# KiCad board RUSP_Mainboard_panelMockup.kicad_pcb (continued)
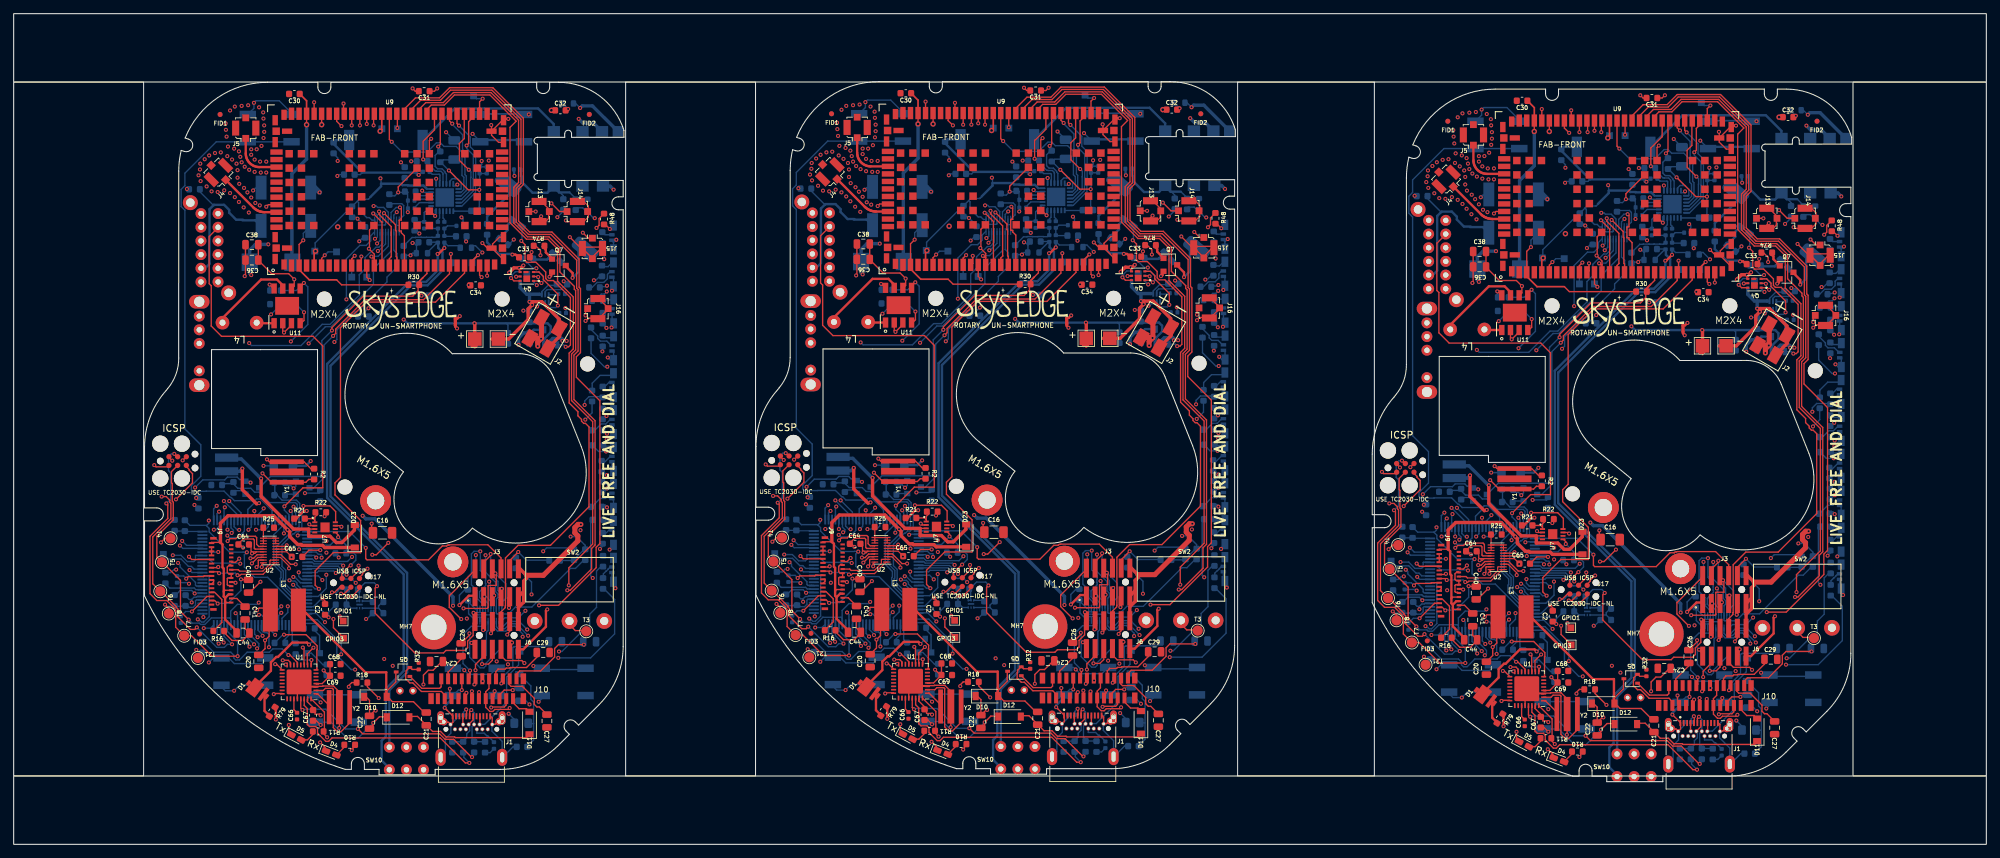
[diagram p0: board, top side]
## Routing (per net, layer and track width the routed paths; a pad name or vN(x,y) marks a point on that pad's centre or on a via; arc(x,y) is an arc through that point) (continued)
/PDn: length 122.8
  L1_GND+GNDA.Cu w0.2: J6.10 72.54,31.14 72.19,30.78 v1(72.19,30.68) ; v1(251.73,29.68) 251.73,29.79 252.09,30.15 J6#3.10 ; J6#2.10 161.97,31.24 161.61,30.88 v1(161.61,30.78)
  L2_3v3+GNDA.Cu w0.2: v1(217.79,29.65) 218.36,30.22 234.99,30.22 238.24,26.97 242.52,26.97 244.77,29.22 246.79,29.22 246.79,29.09 247.21,28.67 250.72,28.67 v1(251.73,29.68) ; v1(72.19,30.68) 71.17,29.66 67.66,29.66 67.24,30.08 67.24,30.21 65.23,30.21 62.98,27.96 58.69,27.96 55.44,31.21 38.81,31.21 v1(38.24,30.64) ; v1(161.61,30.78) 160.59,29.76 157.08,29.76 156.66,30.18 156.66,30.31 154.65,30.31 152.4,28.06 148.12,28.06 144.86,31.32 128.24,31.32 v1(127.66,30.74)
  L6_GND.Cu w0.2: 127.16,32.21 127.16,31.24 v1(127.66,30.74) ; v1(38.24,30.64) 37.74,31.14 37.74,32.11 ; 217.29,31.12 217.29,30.15 v1(217.79,29.65)
/POWSW4: length 253.9
  L1_GND+GNDA.Cu w0.5: v1(72.44,34.58) 72.44,36.06 72.56,36.19 ; v1(251.99,33.59) 251.99,35.07 252.11,35.19 ; 161.99,36.29 161.86,36.16 v1(161.86,34.68)
  L2_3v3+GNDA.Cu w0.5: v1(153.68,35) 154.87,33.81 155.52,33.81 156.45,34.74 156.98,34.74 157.61,34.11 161.29,34.11 v1(161.86,34.68) ; 206.99,85.37 208.24,84.12 208.24,79.49 209.79,77.94 219.91,77.94 225.39,72.47 225.39,61.67 229.84,57.22 229.84,47.82 v1(230.59,47.07) ; 27.44,86.36 28.69,85.11 28.69,80.49 30.24,78.94 40.37,78.94 45.84,73.46 45.84,62.66 50.29,58.21 50.29,48.81 v1(51.04,48.06) ; v1(140.46,48.16) 139.71,48.91 139.71,58.31 135.26,62.76 135.26,73.56 129.79,79.04 119.66,79.04 118.11,80.59 118.11,85.21 116.86,86.46 ; v1(72.44,34.58) 71.87,34.01 68.19,34.01 67.56,34.64 67.03,34.64 66.1,33.71 65.45,33.71 v1(64.26,34.9) ; v1(251.99,33.59) 251.42,33.02 247.73,33.02 247.11,33.64 246.58,33.64 245.65,32.72 245,32.72 v1(243.8,33.91)
  L6_GND.Cu w0.5: v1(243.8,33.91) 243.8,35.18 232.37,46.62 231.04,46.62 v1(230.59,47.07) ; v1(64.26,34.9) 64.26,36.17 52.82,47.61 51.49,47.61 v1(51.04,48.06) ; v1(153.68,35) 153.68,36.27 142.24,47.71 140.91,47.71 v1(140.46,48.16)
/RELAY_OFF: length 150.8
  L1_GND+GNDA.Cu w0.2: v1(158.09,31.44) 158.11,31.46 158.11,32.41 ; v1(248.21,30.34) 248.24,30.37 248.24,31.32 ; v1(68.66,31.34) 68.69,31.36 68.69,32.31
  L2_3v3+GNDA.Cu w0.2: v1(210.82,45.02) 211.12,45.32 211.48,45.32 211.98,44.82 211.98,39.77 213.69,38.07 215.78,38.07 217.8,36.05 219.93,36.05 222.69,33.28 228.45,33.28 228.52,33.22 232.94,33.22 233.99,34.27 242.45,34.27 244.45,32.27 244.45,31.7 245.5,30.64 247.91,30.64 v1(248.21,30.34) ; v1(120.69,46.12) 120.99,46.42 121.35,46.42 121.86,45.91 121.86,40.87 123.56,39.16 125.66,39.16 127.68,37.14 129.8,37.14 132.57,34.38 138.32,34.38 138.39,34.31 142.82,34.31 143.87,35.36 152.32,35.36 154.32,33.36 154.32,32.79 155.37,31.74 157.79,31.74 v1(158.09,31.44) ; v1(31.27,46.02) 31.57,46.32 31.93,46.32 32.43,45.81 32.43,40.77 34.14,39.06 36.23,39.06 38.25,37.04 40.38,37.04 43.14,34.28 48.9,34.28 48.97,34.21 53.39,34.21 54.44,35.26 62.9,35.26 64.9,33.26 64.9,32.69 65.95,31.64 68.36,31.64 v1(68.66,31.34)
  L6_GND.Cu w0.2: v1(210.82,45.02) 210.79,45.05 210.79,46.42 ; v1(31.27,46.02) 31.24,46.05 31.24,47.41 ; v1(120.69,46.12) 120.66,46.15 120.66,47.51
/RESET: length 121
  L1_GND+GNDA.Cu w0.2: J7#3.5 114.67,55.35 115.1,54.93 115.1,54.8 115.57,54.32 115.57,52.97 v1(113.16,50.56) ; T8#3.1 112.11,34.61 v1(111.56,35.16) ; T8#2.1 202.24,33.52 v1(201.69,34.07) ; v1(22.14,35.06) 22.69,34.51 T8.1 ; v1(203.29,49.47) 205.7,51.88 205.7,53.22 205.22,53.7 205.22,53.83 204.8,54.26 J7#2.5 ; J7.5 25.25,55.25 25.67,54.83 25.67,54.69 26.15,54.22 26.15,52.87 v1(23.74,50.46)
  L2_3v3+GNDA.Cu w0.2: v1(111.56,35.16) 116.13,30.6 v1(116.13,28.54) ; v1(201.69,34.07) 206.25,29.5 v1(206.25,27.44) ; v1(22.14,35.06) 26.7,30.5 v1(26.7,28.44)
  L3_3v8+GNDA.Cu w0.2: v1(201.69,34.07) 201.39,34.37 201.39,38.6 201.89,39.1 201.89,48.07 v1(203.29,49.47) ; v1(22.14,35.06) 21.84,35.36 21.84,39.59 22.34,40.09 22.34,49.06 v1(23.74,50.46) ; v1(113.16,50.56) 111.76,49.16 111.76,40.19 111.26,39.69 111.26,35.46 v1(111.56,35.16)
  L6_GND.Cu w0.2: v1(22.14,35.06) 22.39,34.81 24.59,34.81 25.04,35.26 ; 114.46,35.36 114.01,34.91 111.81,34.91 v1(111.56,35.16) ; v1(206.25,27.44) 206.53,27.17 207.16,27.17 ; v1(201.69,34.07) 201.94,33.82 204.14,33.82 204.59,34.27 ; 116.96,35.86 116.16,35.86 116.01,35.71 116.01,35.11 115.66,34.76 115.06,34.76 114.56,35.26 114.56,35.28 ; 204.69,34.18 204.69,34.17 205.19,33.67 205.79,33.67 206.14,34.02 206.14,34.62 206.29,34.77 207.09,34.77 ; 27.62,28.16 26.98,28.16 v1(26.7,28.44) ; 117.04,28.26 116.4,28.26 v1(116.13,28.54) ; 27.54,35.76 26.74,35.76 26.59,35.61 26.59,35.01 26.24,34.66 25.64,34.66 25.14,35.16 25.14,35.18
/RINGER+: length 184.3
  L1_GND+GNDA.Cu w0.2: v1(131.88,77.93) 131.88,76.73 131.26,76.11 ; 41.84,76.01 42.46,76.63 v1(42.46,77.83) ; 221.39,75.02 222.01,75.64 v1(222.01,76.84)
  L5_3v8.Cu w0.2: v1(23.27,42.28) 24.05,42.28 27.24,45.47 27.24,53.13 25.67,54.69 25.67,57.43 26.17,57.92 26.17,63.93 24.64,65.46 24.64,69.06 30.14,74.56 36.55,74.56 37.64,75.65 v1(37.64,77.51) ; v1(217.19,76.52) 217.19,74.65 216.1,73.57 209.69,73.57 204.19,68.07 204.19,64.47 205.72,62.94 205.72,56.93 205.22,56.43 205.22,53.7 206.79,52.14 206.79,44.48 203.6,41.29 v1(202.82,41.29) ; v1(112.69,42.38) 113.47,42.38 116.66,45.57 116.66,53.23 115.1,54.8 115.1,57.53 115.59,58.02 115.59,64.03 114.06,65.56 114.06,69.16 119.56,74.66 125.98,74.66 127.06,75.75 v1(127.06,77.61)
  L6_GND.Cu w0.2: 117.01,42.36 116.06,42.36 116.01,42.31 116.01,41.7 115.78,41.46 114.81,41.46 113.88,42.38 v1(112.69,42.38) ; 207.14,41.27 206.19,41.27 206.14,41.22 206.14,40.6 205.9,40.37 204.93,40.37 204.01,41.29 v1(202.82,41.29) ; v1(131.88,77.93) 130.7,79.11 R23#2.1 128.5,79.05 v1(127.06,77.61) ; 27.59,42.26 26.64,42.26 26.59,42.21 26.59,41.6 26.35,41.36 25.38,41.36 24.46,42.28 v1(23.27,42.28) ; v1(217.19,76.52) 218.63,77.95 R23#3.1 220.83,78.02 v1(222.01,76.84) ; v1(42.46,77.83) 41.28,79.01 R23.1 39.08,78.95 v1(37.64,77.51)
/RINGER-: length 189.5
  L1_GND+GNDA.Cu w0.2: v1(221.99,81.12) 221.44,80.57 221.44,80.17 ; v1(42.44,82.11) 41.89,81.56 41.89,81.16 ; v1(131.86,82.21) 131.31,81.66 131.31,81.26
  L5_3v8.Cu w0.2: v1(129.96,73.66) 129.46,74.16 119.81,74.16 114.41,68.77 114.41,65.71 117.04,63.08 117.04,45.94 118.46,44.51 118.46,44.56 119.34,43.69 v1(119.34,42.86) ; 208.59,43.47 208.59,43.42 207.16,44.84 207.16,61.99 204.54,64.61 204.54,67.67 209.93,73.07 219.59,73.07 v1(220.09,72.57) ; v1(29.92,42.76) 29.92,43.59 29.04,44.46 29.04,44.41 27.62,45.84 27.62,62.98 24.99,65.61 24.99,68.67 30.39,74.06 40.04,74.06 v1(40.54,73.56) ; 208.59,43.47 209.46,42.59 v1(209.46,41.77)
  L6_GND.Cu w0.2: U4.44 209.44,41.74 v1(209.46,41.77) ; U4#2.44 29.89,42.74 v1(29.92,42.76) ; v1(220.09,72.57) 222.56,75.04 222.56,80.55 v1(221.99,81.12) 220.89,80.02 R24#3.1 ; v1(129.96,73.66) 132.43,76.13 132.43,81.64 v1(131.86,82.21) 130.76,81.11 R24#2.1 ; R24.1 41.34,81.01 v1(42.44,82.11) 43.01,81.54 43.01,76.03 v1(40.54,73.56) ; U4#3.44 119.31,42.84 v1(119.34,42.86)
/SCK: length 293.2
  L1_GND+GNDA.Cu w0.2: U2#3.17 125.88,42.48 125.86,42.46 125.03,42.46 124.51,41.94 v1(124.05,41.94) ; v1(70.45,39.62) 70.44,39.61 70.14,39.61 ; v1(214.18,40.84) 214.63,40.84 215.16,41.37 215.99,41.37 216.01,41.39 U2.17 ; J7#3.3 112.5,54.62 112.5,52.99 112.61,52.87 112.61,50.3 112.76,50.15 112.76,47.56 110.36,45.16 110.36,42.11 T5#3.1 ; 201.24,40.32 203.94,37.62 203.94,33.07 v1(205.14,31.87) ; v1(155.21,34.61) 158.69,34.61 158.81,34.73 158.81,37.92 158.86,37.97 160,37.97 160,39.66 159.36,40.29 ; v1(159.87,39.72) 159.86,39.71 159.56,39.71 ; T5#2.1 200.49,41.02 200.49,44.07 202.89,46.47 202.89,49.05 202.74,49.2 202.74,51.78 202.63,51.89 202.63,53.53 J7#2.3 ; U2#2.17 36.46,42.38 36.44,42.36 35.61,42.36 35.08,41.84 v1(34.63,41.84) ; J7.3 23.08,54.52 23.08,52.88 23.19,52.77 23.19,50.2 23.34,50.05 23.34,47.46 20.94,45.06 20.94,42.01 T5.1 ; v1(65.79,34.51) 69.27,34.51 69.38,34.63 69.38,37.82 69.43,37.87 70.58,37.87 70.58,39.56 69.94,40.19 ; v1(250,38.63) 249.99,38.62 249.69,38.62 ; v1(115.01,32.96) 113.81,34.16 113.81,38.71 111.11,41.41 ; v1(245.34,33.52) 248.81,33.52 248.93,33.64 248.93,36.83 248.98,36.88 250.12,36.88 250.12,38.56 249.49,39.2 ; 21.69,41.31 24.39,38.61 24.39,34.06 v1(25.59,32.86)
  L3_3v8+GNDA.Cu w0.2: v1(245.34,33.52) 245.04,33.22 243.68,33.22 242.58,34.32 234.54,34.32 234.31,34.09 220.57,34.09 220.29,34.37 v1(215.39,34.37) ; v1(35.84,35.36) 40.74,35.36 41.02,35.08 54.76,35.08 54.99,35.31 63.03,35.31 64.13,34.21 65.49,34.21 v1(65.79,34.51) ; v1(155.21,34.61) 154.91,34.31 153.56,34.31 152.45,35.42 144.42,35.42 144.18,35.18 130.44,35.18 130.16,35.46 v1(125.26,35.46)
  L5_3v8.Cu w0.2: v1(124.05,41.94) 125.2,41.94 126.26,40.88 126.26,36.46 v1(125.26,35.46) ; v1(34.63,41.84) 35.78,41.84 36.84,40.78 36.84,36.36 v1(35.84,35.36) ; v1(215.39,34.37) 216.39,35.37 216.39,39.78 215.33,40.84 v1(214.18,40.84)
  L6_GND.Cu w0.18: 250.9,34.36 250.94,34.32 U8#2.20 ; U8.20 71.39,35.31 71.35,35.35 ; 160.77,35.45 160.81,35.41 U8#3.20
  L6_GND.Cu w0.2: v1(205.14,31.87) 205.64,31.37 206.68,31.37 206.88,31.17 207.51,31.17 208.46,32.12 211.14,32.12 211.29,31.97 ; v1(25.59,32.86) 26.09,32.36 27.13,32.36 27.33,32.16 27.96,32.16 28.91,33.11 31.59,33.11 31.74,32.96 ; v1(115.01,32.96) 115.51,32.46 116.55,32.46 116.75,32.27 117.39,32.27 118.33,33.21 121.01,33.21 121.16,33.06 ; v1(250,38.63) 251.54,37.09 251.54,34.99 250.9,34.36 ; v1(125.26,35.46) 125.01,35.21 122.16,35.21 121.16,34.21 121.16,33.06 ; v1(159.87,39.72) 161.41,38.18 161.41,36.09 160.77,35.45 ; 211.29,31.27 211.29,31.97 ; 211.29,31.97 211.29,33.12 212.29,34.12 215.14,34.12 v1(215.39,34.37) ; v1(35.84,35.36) 35.59,35.11 32.74,35.11 31.74,34.11 31.74,32.96 ; 31.74,32.96 31.74,32.26 ; 121.16,33.06 121.16,32.36 ; 71.35,35.35 71.99,35.99 71.99,38.08 v1(70.45,39.62)
/SD_CD: length 115.1
  L1_GND+GNDA.Cu w0.2: v1(71.37,37.39) 71.37,36.33 71.28,36.23 ; v1(160.8,37.49) 160.8,36.43 J3#3.7 ; v1(250.92,36.39) 250.92,35.33 J3#2.7
  L3_3v8+GNDA.Cu w0.2: v1(130.96,45.28) 131.14,45.46 135.31,45.46 138.38,42.39 138.35,42.37 138.35,41.79 138.58,41.56 141.46,41.56 146.06,36.96 155.66,36.96 157.06,35.56 157.33,35.56 157.4,35.49 159.47,35.49 160.8,36.82 v1(160.8,37.49) ; v1(250.92,36.39) 250.92,35.72 249.6,34.39 247.53,34.39 247.46,34.47 247.19,34.47 245.79,35.87 236.19,35.87 231.59,40.47 228.71,40.47 228.48,40.7 228.48,41.27 228.51,41.3 225.44,44.37 221.27,44.37 v1(221.09,44.19) ; v1(41.54,45.18) 41.72,45.36 45.89,45.36 48.96,42.29 48.93,42.26 48.93,41.69 49.16,41.46 52.04,41.46 56.64,36.86 66.24,36.86 67.64,35.46 67.91,35.46 67.98,35.39 70.05,35.39 71.37,36.71 v1(71.37,37.39)
  L6_GND.Cu w0.2: 43.01,45.26 41.62,45.26 v1(41.54,45.18) ; 222.56,44.27 221.17,44.27 v1(221.09,44.19) ; 132.44,45.36 131.04,45.36 v1(130.96,45.28)
/SD_CS: length 102.8
  L1_GND+GNDA.Cu w0.2: v1(140.91,43.46) 140.91,41.9 141.1,41.71 150.09,41.71 152.12,43.74 152.75,43.74 152.85,43.85 153.01,43.88 153.02,43.88 153.16,43.91 158.78,43.91 160.7,41.99 J3#3.8 ; J3#2.8 250.82,40.9 248.9,42.82 243.29,42.82 243.14,42.79 243.14,42.78 242.98,42.75 242.87,42.65 242.24,42.65 240.21,40.62 231.23,40.62 231.04,40.8 v1(231.04,42.37) ; 71.28,40.3 71.28,41.89 69.35,43.81 63.74,43.81 63.59,43.78 63.59,43.78 63.43,43.74 63.32,43.64 62.69,43.64 60.67,41.61 51.68,41.61 51.49,41.8 v1(51.49,43.36)
  L6_GND.Cu w0.2: 42.94,45.76 49.09,45.76 v1(51.49,43.36) ; 132.36,45.86 138.51,45.86 v1(140.91,43.46) ; 222.49,44.77 228.64,44.77 v1(231.04,42.37)
/SIM_CLK: length 315.8
  L1_GND+GNDA.Cu w0.2: J6#3.8 250.82,33.02 251.44,33.64 251.44,33.86 251.47,33.89 251.47,40.89 253.33,42.75 258.06,42.75 263.69,48.38 263.69,60.06 263.18,60.58 262.92,60.58 262.6,60.9 262.6,61.16 262.07,61.69 262.07,62.29 260.79,63.57 260.79,70.86 261.39,71.46 261.39,79.07 259.09,81.37 259.09,86.12 257.69,87.52 254.55,87.52 252.14,89.93 252.14,103.88 253.04,104.78 249.2,108.62 244,108.62 242.53,107.14 240.61,107.14 240.04,106.57 240.04,105.67 ; 149.91,106.76 149.91,107.66 150.49,108.24 152.4,108.24 153.88,109.71 159.08,109.71 162.91,105.88 162.01,104.98 162.01,91.03 164.43,88.61 167.56,88.61 168.96,87.21 168.96,82.46 171.26,80.16 171.26,72.56 170.66,71.96 170.66,64.66 171.94,63.38 171.94,62.78 172.47,62.25 172.47,61.99 172.79,61.67 173.05,61.67 173.57,61.16 173.57,49.48 167.93,43.84 163.2,43.84 161.35,41.99 161.35,34.98 161.32,34.95 161.32,34.73 160.7,34.11 J6#2.8 ; 60.49,106.66 60.49,107.56 61.06,108.14 62.98,108.14 64.45,109.61 69.65,109.61 73.49,105.78 72.59,104.88 72.59,90.93 75,88.51 78.14,88.51 79.54,87.11 79.54,82.36 81.84,80.06 81.84,72.46 81.24,71.86 81.24,64.56 82.52,63.28 82.52,62.68 83.05,62.15 83.05,61.89 83.37,61.57 83.63,61.57 84.15,61.06 84.15,49.38 78.51,43.74 73.78,43.74 71.92,41.89 71.92,34.88 71.9,34.85 71.9,34.63 71.28,34.01 71.28,32.6
/SIM_IO: length 327.3
  L1_GND+GNDA.Cu w0.2: v1(162.3,29.61) 161.97,29.28 ; 59.34,106.76 59.34,107.56 60.27,108.49 62.83,108.49 64.31,109.96 69.8,109.96 73.84,105.92 73.84,96.8 73.14,96.1 73.14,90.87 75.15,88.86 78.29,88.86 79.89,87.26 79.89,83.71 81.99,81.61 81.99,81.21 82.19,81 82.19,72.31 81.59,71.71 81.59,64.91 84.68,61.82 84.68,43.93 81.19,40.44 v1(81.19,37.88) ; 238.89,105.77 238.89,106.57 239.81,107.49 242.38,107.49 243.86,108.97 249.35,108.97 253.39,104.93 253.39,95.81 252.69,95.11 252.69,89.88 254.7,87.87 257.84,87.87 259.44,86.26 259.44,82.72 261.54,80.62 261.54,80.21 261.74,80.01 261.74,71.32 261.14,70.72 261.14,63.92 264.23,60.83 264.23,42.93 260.74,39.44 v1(260.74,36.89) ; v1(170.61,37.98) 170.61,40.54 174.1,44.03 174.1,61.92 171.01,65.01 171.01,71.81 171.61,72.41 171.61,81.1 171.41,81.31 171.41,81.71 169.31,83.81 169.31,87.36 167.71,88.96 164.57,88.96 162.56,90.97 162.56,96.2 163.26,96.9 163.26,106.02 159.22,110.06 153.73,110.06 152.26,108.59 149.69,108.59 148.76,107.66 148.76,106.86 ; v1(72.88,29.51) 72.54,29.18 ; v1(252.43,28.52) 252.09,28.18
  L3_3v8+GNDA.Cu w0.2: v1(252.43,28.52) 252.73,28.22 254.64,28.22 259.97,33.55 259.97,36.54 260.31,36.89 v1(260.74,36.89) ; v1(81.19,37.88) 80.76,37.88 80.42,37.54 80.42,34.54 75.09,29.21 73.18,29.21 v1(72.88,29.51) ; v1(170.61,37.98) 170.19,37.98 169.84,37.64 169.84,34.64 164.51,29.31 162.6,29.31 v1(162.3,29.61)
/SIM_RST: length 347.5
  L1_GND+GNDA.Cu w0.2: U9#3.58 147.66,107.66 148.94,108.94 151.84,108.94 153.31,110.41 159.37,110.41 163.61,106.17 163.61,96.76 162.91,96.06 162.91,91.12 164.72,89.31 167.99,89.31 171.76,85.54 171.76,81.45 171.96,81.25 171.96,72.26 171.36,71.66 171.36,65.15 174.45,62.07 174.45,43.88 173.94,43.38 173.94,40.39 170.82,37.26 v1(170.39,37.26) ; v1(254.24,25.52) 253.87,25.89 251.52,25.89 250.84,26.57 250.84,27.47 ; 237.79,105.87 237.79,106.57 239.06,107.84 241.96,107.84 243.44,109.32 249.49,109.32 253.74,105.07 253.74,95.66 253.04,94.96 253.04,90.02 254.84,88.22 258.12,88.22 261.89,84.45 261.89,80.36 262.09,80.15 262.09,71.17 261.49,70.57 261.49,64.06 264.58,60.97 264.58,42.79 264.07,42.28 264.07,39.29 260.94,36.17 v1(260.52,36.17) ; v1(80.97,37.16) 81.4,37.16 84.52,40.29 84.52,43.28 85.03,43.78 85.03,61.96 81.94,65.05 81.94,71.56 82.54,72.16 82.54,81.15 82.34,81.35 82.34,85.44 78.57,89.21 75.3,89.21 73.49,91.02 73.49,95.96 74.19,96.66 74.19,106.06 69.94,110.31 63.89,110.31 62.41,108.84 59.52,108.84 58.24,107.56 U9.58 ; v1(74.69,26.51) 74.32,26.88 71.97,26.88 71.29,27.57 71.29,28.46 ; 160.71,28.56 160.71,27.67 161.4,26.98 163.74,26.98 v1(164.11,26.61)
  L3_3v8+GNDA.Cu w0.2: v1(80.97,37.16) 80.97,34.6 74.69,28.32 v1(74.69,26.51) ; v1(260.52,36.17) 260.52,33.6 254.24,27.32 v1(254.24,25.52) ; v1(164.11,26.61) 164.11,28.42 170.39,34.7 v1(170.39,37.26)
/SW_CLEAR: length 260.5
  L5_3v8.Cu w0.2: v1(156.54,104.02) 151.33,98.81 145.35,98.81 137.46,90.93 137.46,79.01 134.46,76.01 134.46,71.25 134.24,71.03 134.24,56.03 132.74,54.54 132.74,53.07 129.56,49.89 129.56,49.27 126.4,46.11 v1(124.86,46.11) ; v1(214.99,45.02) 216.53,45.02 219.69,48.18 219.69,48.8 222.87,51.98 222.87,53.44 224.37,54.94 224.37,69.93 224.59,70.16 224.59,74.92 227.59,77.92 227.59,89.83 235.47,97.72 241.46,97.72 v1(246.67,102.93) ; v1(35.44,46.01) 36.98,46.01 40.14,49.17 40.14,49.79 43.32,52.97 43.32,54.44 44.82,55.93 44.82,70.93 45.04,71.15 45.04,75.91 48.04,78.91 48.04,90.83 55.93,98.71 61.91,98.71 v1(67.12,103.92)
  L6_GND.Cu w0.2: 157.46,102.86 157.46,103.1 v1(156.54,104.02) ; v1(124.86,46.11) 126.21,46.11 126.66,46.56 126.66,47.51 ; 216.79,46.42 216.79,45.47 216.34,45.02 v1(214.99,45.02) ; v1(35.44,46.01) 36.79,46.01 37.24,46.46 37.24,47.41 ; 68.04,102.76 68.04,103 v1(67.12,103.92) ; v1(246.67,102.93) 247.59,102 247.59,101.77
  L6_GND.Cu w0.35: 254.26,101.66 253.9,102.02 247.85,102.02 247.59,101.77 ; 157.46,102.86 157.72,103.12 163.77,103.12 164.13,102.76 ; 74.71,102.66 74.35,103.02 68.3,103.02 68.04,102.76
/SW_HOOK: length 242.7
  L6_GND.Cu w0.2: 40.84,102.76 33.74,102.76 ; 34.04,102.76 29.63,102.76 25.04,98.18 25.04,96.34 24.49,95.79 24.49,93.3 25.04,92.75 25.04,60.76 27.37,58.44 27.37,53.83 25.99,52.46 25.99,51.88 26.23,51.64 28.16,51.64 28.18,51.66 30.76,51.66 31.69,50.74 31.81,50.74 32.29,50.26 35.27,50.26 35.51,50.51 36.1,50.51 37.79,48.83 37.79,47.49 ; 127.21,47.59 127.21,48.93 125.53,50.61 124.94,50.61 124.69,50.36 121.71,50.36 121.24,50.84 121.11,50.84 120.19,51.76 117.6,51.76 117.58,51.74 115.65,51.74 115.41,51.98 115.41,52.56 116.79,53.93 116.79,58.54 114.46,60.86 114.46,92.85 113.91,93.4 113.91,95.89 114.46,96.44 114.46,98.28 119.05,102.86 123.46,102.86 ; 130.26,102.86 123.16,102.86 ; 220.39,101.77 213.29,101.77 ; 213.59,101.77 209.17,101.77 204.59,97.18 204.59,95.35 204.04,94.8 204.04,92.31 204.59,91.76 204.59,59.77 206.91,57.44 206.91,52.84 205.54,51.46 205.54,50.88 205.77,50.65 207.7,50.65 207.72,50.67 210.31,50.67 211.24,49.74 211.36,49.74 211.84,49.27 214.81,49.27 215.06,49.52 215.65,49.52 217.34,47.83 217.34,46.5
/SW_MODE1: length 103.2
  L4_GND.Cu w0.2: v1(120.17,50.31) 116.96,53.51 116.96,59.25 113.88,62.32 113.88,74.68 SW1#2.4 ; v1(210.29,49.22) 207.09,52.42 207.09,58.15 204.01,61.23 204.01,73.59 SW1#3.4 ; SW1.4 24.46,74.58 24.46,62.22 27.54,59.15 27.54,53.41 v1(30.74,50.21)
  L6_GND.Cu w0.2: v1(120.17,50.31) 122.16,48.31 122.16,47.49 ; 212.29,46.4 212.29,47.22 v1(210.29,49.22) ; 32.74,47.39 32.74,48.21 v1(30.74,50.21)
/SW_MODE2: length 95.9
  L4_GND.Cu w0.2: 116.96,75.36 114.56,72.96 114.56,65.59 117.31,62.84 117.31,53.95 v1(120.95,50.31) ; v1(211.07,49.22) 207.44,52.85 207.44,61.74 204.69,64.49 204.69,71.87 207.09,74.27 ; v1(31.52,50.21) 27.89,53.85 27.89,62.74 25.14,65.49 25.14,72.86 27.54,75.26
  L6_GND.Cu w0.2: v1(31.52,50.21) 33.24,48.5 33.24,47.65 ; 212.79,46.66 212.79,47.5 v1(211.07,49.22) ; v1(120.95,50.31) 122.66,48.6 122.66,47.75
/SW_MODE3: length 107.1
  L3_3v8+GNDA.Cu w0.2: v1(31.24,45.16) 28.84,45.16 25.74,48.26 25.74,52.21 27.37,53.83 27.37,58.94 25.84,60.46 25.74,60.46 25.14,61.06 25.14,67.99 26.41,69.26 27.54,69.26 ; 116.96,69.36 115.83,69.36 114.56,68.09 114.56,61.16 115.16,60.56 115.26,60.56 116.79,59.04 116.79,53.93 115.16,52.31 115.16,48.36 118.26,45.26 v1(120.66,45.26) ; 207.09,68.27 205.96,68.27 204.69,67 204.69,60.07 205.29,59.47 205.39,59.47 206.91,57.94 206.91,52.84 205.29,51.21 205.29,47.27 208.39,44.17 v1(210.79,44.17)
  L6_GND.Cu w0.2: v1(210.79,44.17) 211.09,43.87 212.34,43.87 213.29,44.82 213.29,46.42 ; 123.16,47.51 123.16,45.91 122.21,44.96 120.96,44.96 v1(120.66,45.26) ; v1(31.24,45.16) 31.54,44.86 32.79,44.86 33.74,45.81 33.74,47.41
/SW_MULTI1: length 182.4
  L2_3v3+GNDA.Cu w0.2: v1(76.01,26.09) 75.68,25.76 68.29,25.76 67.99,26.06 65.71,26.06 63.93,24.28 48.22,24.28 47.71,23.77 41.53,23.77 41.05,23.29 36.16,23.29 31.35,28.1 31.24,28.1 30.95,28.39 30.95,29.28 v1(30.71,29.52) ; v1(120.13,29.62) 120.37,29.38 120.37,28.49 120.66,28.2 120.77,28.2 125.58,23.39 130.47,23.39 130.95,23.87 137.14,23.87 137.65,24.38 153.35,24.38 155.13,26.16 157.41,26.16 157.71,25.86 165.1,25.86 v1(165.43,26.19) ; v1(255.56,25.1) 255.23,24.77 247.84,24.77 247.54,25.07 245.26,25.07 243.48,23.29 227.77,23.29 227.26,22.78 221.07,22.78 220.6,22.3 215.71,22.3 210.9,27.11 210.79,27.11 210.5,27.39 210.5,28.29 v1(210.26,28.53)
  L6_GND.Cu w0.2: SW3#2.1 165.76,25.86 v1(165.43,26.19) ; 263.39,24.77 263.19,24.57 256.59,24.57 ; U4#3.23 119.69,30.54 120.13,30.09 v1(120.13,29.62) ; 166.46,25.66 173.06,25.66 173.26,25.86 ; SW3.1 76.34,25.76 v1(76.01,26.09) ; v1(30.71,29.52) 30.71,29.99 30.26,30.44 U4#2.23 ; 83.84,25.76 83.64,25.56 77.04,25.56 ; U4.23 209.81,29.45 210.26,29 v1(210.26,28.53) ; v1(255.56,25.1) 255.89,24.77 SW3#3.1
/SW_MULTI2: length 163.2
  L2_3v3+GNDA.Cu w0.2: v1(65.9,25.47) 65.62,25.47 64.08,23.93 52.53,23.93 48.81,20.21 38.14,20.21 27.8,30.55 v1(27.8,31.61) ; v1(245.45,24.48) 245.17,24.48 243.62,22.94 232.08,22.94 228.36,19.22 217.69,19.22 207.35,29.55 v1(207.35,30.62) ; v1(155.32,25.57) 155.04,25.57 153.5,24.03 141.95,24.03 138.23,20.31 127.56,20.31 117.22,30.65 v1(117.22,31.72)
  L6_GND.Cu w0.2: 208.79,31.07 208.34,30.62 v1(207.35,30.62) ; v1(27.8,31.61) 28.79,31.61 29.24,32.06 ; 118.66,32.16 118.22,31.72 v1(117.22,31.72) ; SW6#3.1 249.29,23.87 246.06,23.87 v1(245.45,24.48) 245.16,24.77 SW6#3.1 ; SW6.1 65.61,25.76 v1(65.9,25.47) 66.51,24.86 69.74,24.86 SW6.1 ; SW6#2.1 159.16,24.96 155.93,24.96 v1(155.32,25.57) 155.03,25.86 SW6#2.1
/SW_MULTI3: length 89.6
  L2_3v3+GNDA.Cu w0.2: v1(209.53,28.37) 209.53,27.87 217.63,19.77 v1(224.44,19.77) ; v1(119.4,29.46) 119.4,28.97 127.51,20.86 v1(134.31,20.86) ; v1(44.89,20.76) 38.08,20.76 29.98,28.86 v1(29.98,29.36)
  L6_GND.Cu w0.2: v1(134.31,20.86) 133.51,21.66 133.51,21.91 ; 43.87,21.88 50.75,21.88 ; v1(29.98,29.36) 29.74,29.6 29.74,32.11 ; 209.29,31.12 209.29,28.61 v1(209.53,28.37) ; 133.29,21.98 140.18,21.98 ; v1(224.44,19.77) 223.64,20.57 223.64,20.82 ; v1(44.89,20.76) 44.09,21.56 44.09,21.81 ; 119.16,32.21 119.16,29.7 v1(119.4,29.46) ; 223.42,20.88 230.3,20.88
/SW_MULTI4: length 51.9
  L3_3v8+GNDA.Cu w0.2: v1(117.96,26.7) 117.96,32.54 v1(117.16,33.34) ; v1(27.74,33.24) 28.54,32.44 v1(28.54,26.6) ; v1(207.29,32.24) 208.09,31.44 v1(208.09,25.61)
  L6_GND.Cu w0.2: v1(208.09,25.61) 208.75,26.27 SW8#2.1 ; SW8.1 29.2,27.26 v1(28.54,26.6) ; v1(207.29,32.24) 207.29,32.67 207.19,32.77 ; 126.56,27.36 125.73,26.53 121.7,26.53 120.87,27.37 119.61,27.37 ; SW8#3.1 118.62,27.37 v1(117.96,26.7) ; 37.14,27.26 36.31,26.43 32.28,26.43 31.45,27.26 30.19,27.26 ; v1(117.16,33.34) 117.16,33.76 117.06,33.86 ; 27.64,33.76 27.74,33.66 v1(27.74,33.24) ; 216.69,26.27 215.86,25.44 211.83,25.44 211,26.27 209.74,26.27
/SW_ROTARY: length 180
  L1_GND+GNDA.Cu w0.2: 83.94,31.26 82.14,31.26 81.34,32.06 81.34,32.66 ; 173.36,31.36 171.56,31.36 170.76,32.16 170.76,32.76 ; 260.89,31.67 260.89,31.07 261.69,30.27 263.49,30.27
  L2_3v3+GNDA.Cu w0.2: v1(55.44,26.11) 56.09,25.46 63.94,25.46 65.29,26.81 68.13,26.81 68.26,26.95 69.64,26.95 70.38,26.21 70.9,26.21 71.75,27.06 77.64,27.06 77.98,26.72 80.03,26.72 81.39,28.08 81.39,32.51 ; v1(144.86,26.21) 145.51,25.56 153.36,25.56 154.71,26.91 157.55,26.91 157.68,27.05 159.06,27.05 159.8,26.31 160.33,26.31 161.18,27.16 167.06,27.16 167.4,26.82 169.45,26.82 170.81,28.18 170.81,32.61 ; 260.94,31.52 260.94,27.09 259.58,25.73 257.53,25.73 257.19,26.07 251.3,26.07 250.45,25.22 249.92,25.22 249.19,25.95 247.81,25.95 247.68,25.82 244.84,25.82 243.49,24.47 235.64,24.47 v1(234.99,25.12)
  L5_3v8.Cu w0.2: v1(144.86,26.21) 132.46,26.21 131.16,27.52 131.16,29.35 128.36,32.15 128.36,33.66 128.56,33.86 v1(128.56,33.96) ; v1(234.99,25.12) 222.59,25.12 221.29,26.42 221.29,28.26 218.49,31.05 218.49,32.57 218.69,32.77 v1(218.69,32.87) ; v1(39.14,33.86) 39.14,33.76 38.94,33.56 38.94,32.05 41.74,29.25 41.74,27.41 43.04,26.11 v1(55.44,26.11)
  L6_GND.Cu w0.2: v1(218.69,32.87) 218.29,32.47 218.29,31.12 ; 38.74,32.11 38.74,33.46 v1(39.14,33.86) ; 128.16,32.21 128.16,33.56 v1(128.56,33.96)
/USB PORT AND BRIDGE/16U2_MISO: length 51.4
  L1_GND+GNDA.Cu w0.2: J17.1 47.7,37.62 46.92,36.85 v1(46.56,36.85) ; 217.79,25.31 218.05,25.31 218.84,24.52 ; 127.67,26.41 127.92,26.41 128.71,25.61 ; J17#2.1 227.25,36.62 226.47,35.85 v1(226.1,35.85) ; v1(135.98,36.95) 136.35,36.95 137.12,37.72 J17#3.1 ; 39.29,25.51 38.5,26.3 38.24,26.3
  L4_GND.Cu w0.2: v1(46.56,36.85) 46.56,36.58 38.24,28.26 38.24,26.36 v1(38.25,26.35) ; v1(217.8,25.36) 217.79,25.37 217.79,27.27 226.1,35.59 v1(226.1,35.85) ; v1(135.98,36.95) 135.98,36.68 127.66,28.37 127.66,26.46 v1(127.67,26.45)
/USB PORT AND BRIDGE/16U2_MOSI: length 67.8
  L1_GND+GNDA.Cu w0.2: J17#3.4 139.86,40.12 v1(139.86,40.86) ; J17#2.4 229.99,39.02 v1(229.99,39.77) ; v1(39.77,26.3) 39.83,26.24 U1.16 ; v1(129.19,26.4) 129.25,26.34 U1#3.16 ; v1(219.32,25.3) 219.38,25.24 U1#2.16 ; v1(50.44,40.76) 50.44,40.02 J17.4
  L4_GND.Cu w0.2: v1(50.44,40.76) 50.44,40.12 47.34,37.01 47.34,36.85 39.28,28.79 39.28,27.62 38.8,27.15 38.8,26.69 39.2,26.3 v1(39.77,26.3) ; v1(129.19,26.4) 128.62,26.4 128.23,26.79 128.23,27.25 128.7,27.72 128.7,28.89 136.76,36.95 136.76,37.11 139.86,40.22 v1(139.86,40.86) ; v1(219.32,25.3) 218.75,25.3 218.35,25.7 218.35,26.15 218.83,26.63 218.83,27.8 226.89,35.86 226.89,36.02 229.99,39.12 v1(229.99,39.77)
